# KiCad board GPDI_ULX3S_panel.kicad_pcb (continued)
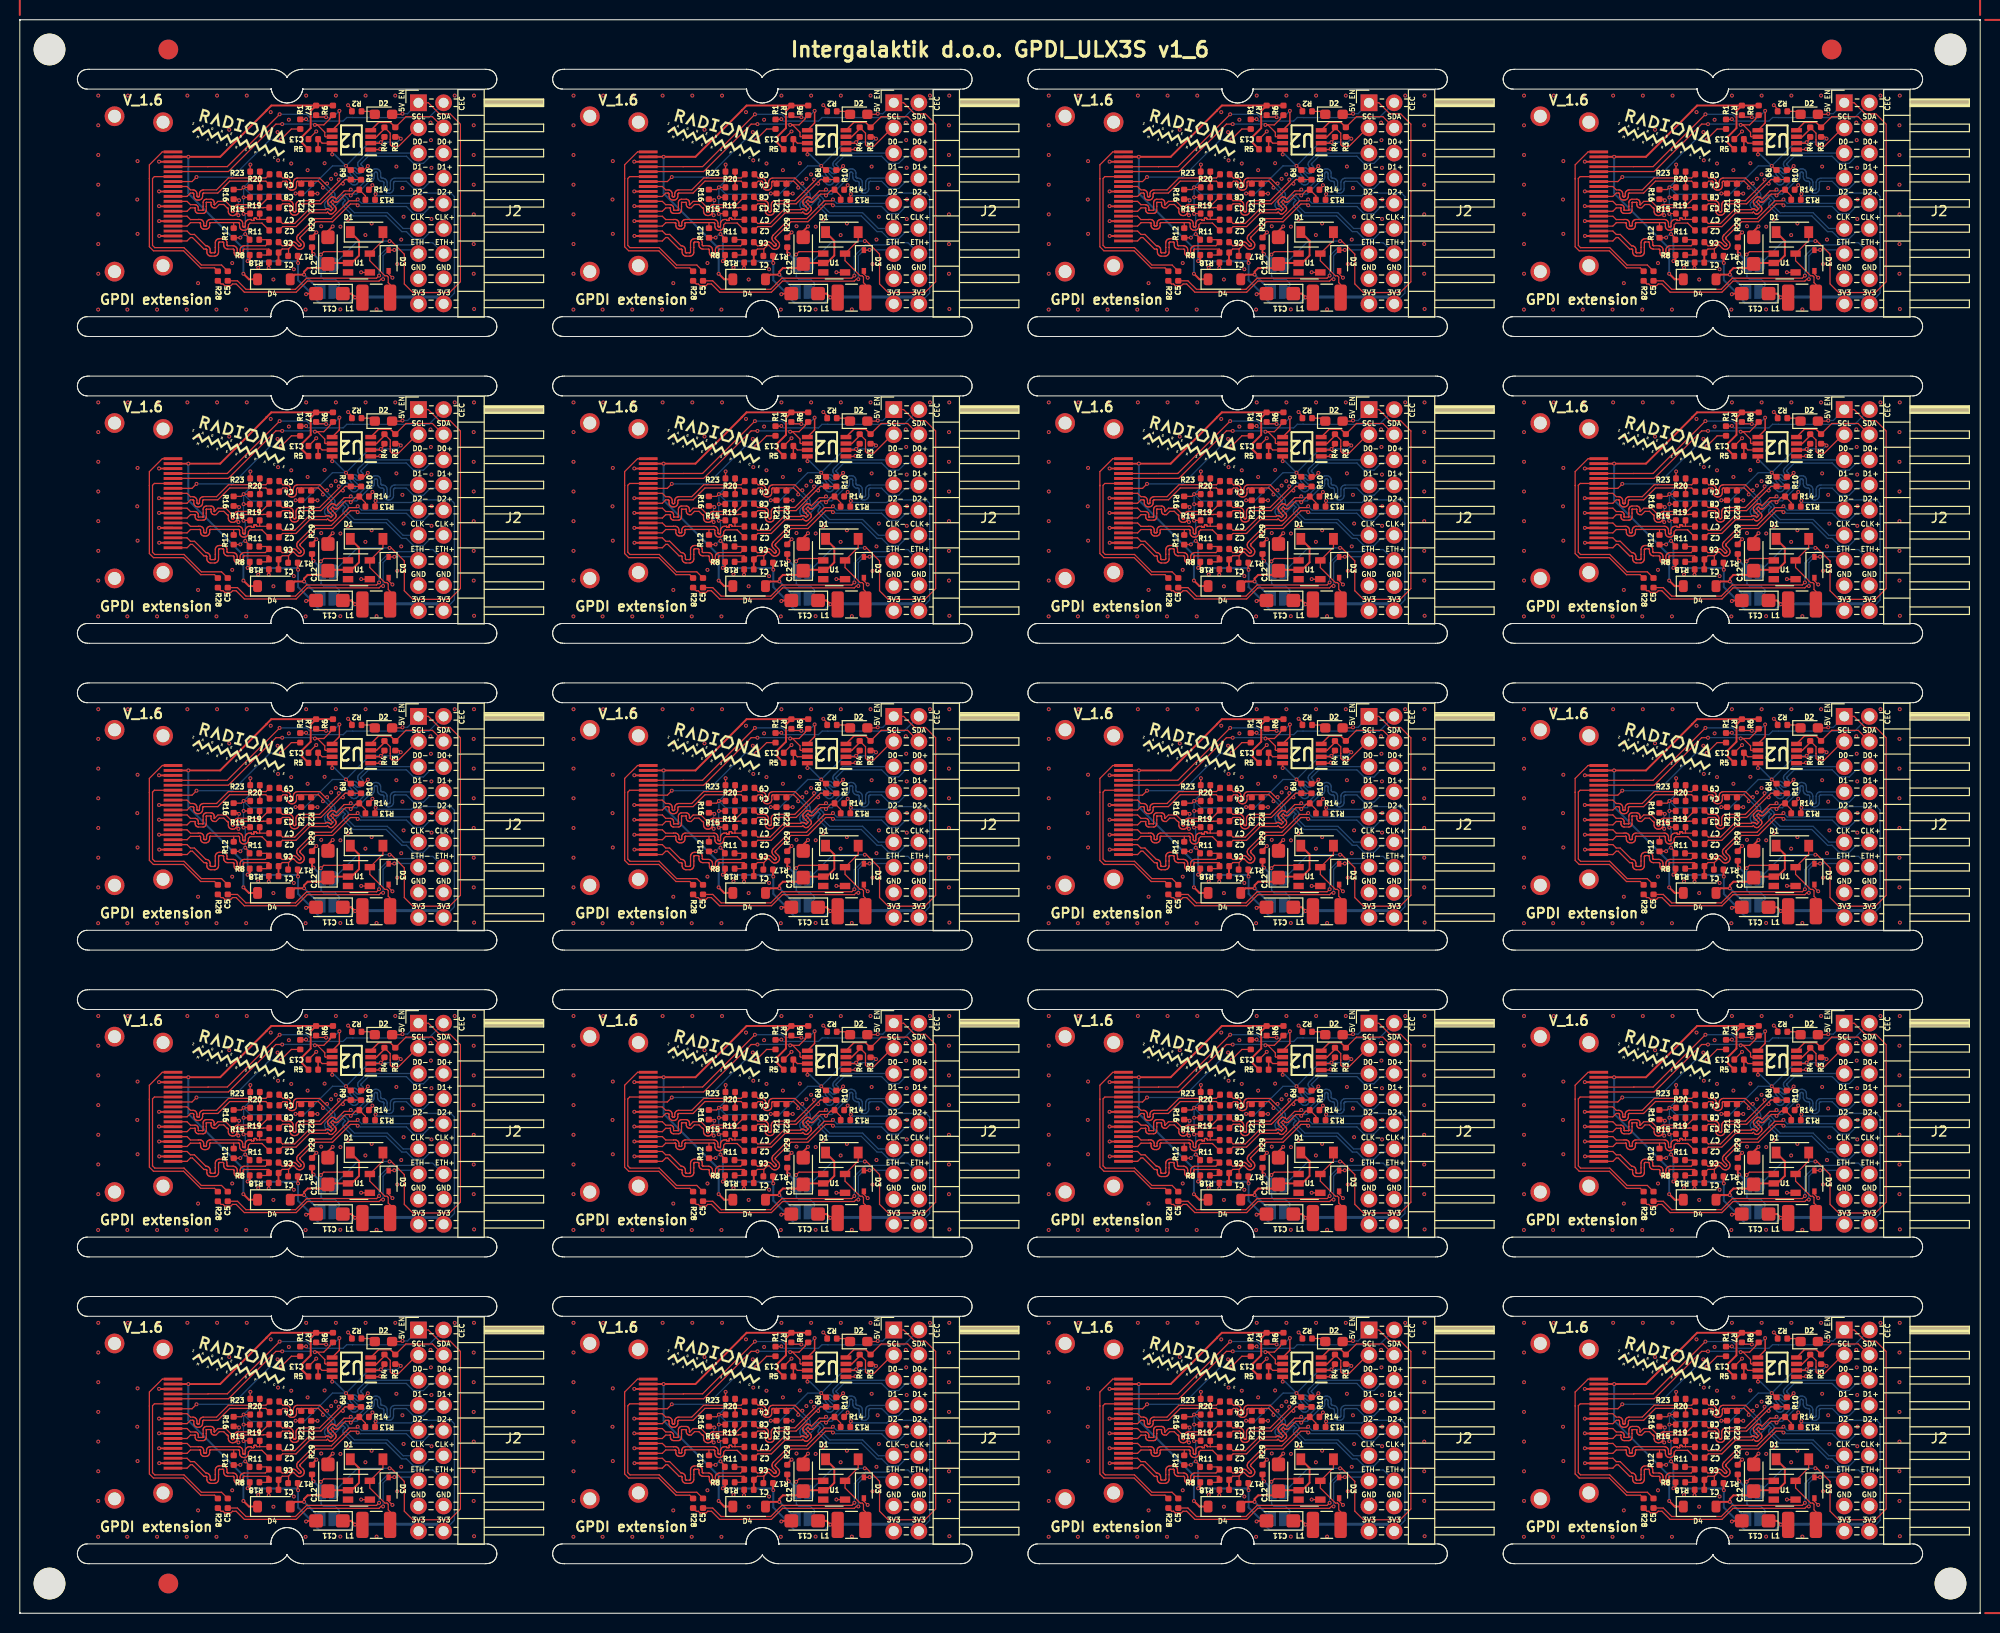
[diagram p0: board, top side]
## Routing (per net, layer and track width the routed paths; a pad name or vN(x,y) marks a point on that pad's centre or on a via; arc(x,y) is an arc through that point) (continued)
Board_17-GPDI_D0-: length 20.9
  Top w0.127: C8#11.1 74.53,18.72 75.18,18.72 75.28,18.71 75.37,18.68 75.45,18.63 75.52,18.56 75.57,18.48 75.6,18.39 75.61,18.29 75.61,17.72 75.62,17.69 75.63,17.66 75.64,17.63 75.66,17.61 75.69,17.59 75.72,17.58 75.75,17.58 75.78,17.58 75.81,17.59 75.84,17.61 75.86,17.63 75.88,17.66 75.89,17.69 75.89,17.72 75.89,18.29 75.9,18.39 75.94,18.48 75.99,18.56 76.06,18.63 76.14,18.68 76.23,18.71 76.33,18.72 78.27,18.72 80.22,20.67 v1(80.22,20.86)
  Bottom w0.127: v1(80.22,20.86) 80.41,20.86 80.64,21.09 80.72,21.15 80.8,21.19 80.9,21.22 81,21.22 81.09,21.19 81.18,21.15 81.25,21.09 81.67,20.68 81.69,20.66 81.72,20.64 81.75,20.64 81.78,20.64 81.81,20.64 81.84,20.66 81.87,20.68 81.89,20.7 81.9,20.73 81.91,20.76 81.91,20.79 81.9,20.82 81.89,20.85 81.87,20.88 81.45,21.29 81.39,21.37 81.35,21.45 81.33,21.55 81.33,21.65 81.35,21.74 81.39,21.83 81.45,21.9 81.49,21.94 81.56,21.99 81.63,22.03 81.72,22.05 81.8,22.05 81.89,22.03 81.97,21.99 82.03,21.94 82.16,21.81 82.18,21.8 82.2,21.79 82.22,21.78 82.24,21.78 82.26,21.79 82.28,21.8 82.29,21.81 82.36,21.88 82.37,21.9 82.38,21.91 82.39,21.93 82.39,21.95 82.38,21.97 82.37,21.99 82.36,22.01 82.23,22.14 82.18,22.21 82.14,22.28 82.12,22.37 82.12,22.45 82.14,22.54 82.18,22.62 82.23,22.68 83.08,23.53 J2#20.5
Board_17-GPDI_D1+: length 26.6
  Top w0.127: R13#16.2 82.91,19.21 R14#10.1 82.19,19.74 81.91,19.74 v1(81.42,19.25) 81.29,19.39 80.89,19.39 80.16,18.66 80.1,18.61 80.04,18.59 79.98,18.57 79.91,18.57 79.85,18.59 79.79,18.61 79.73,18.66 79.61,18.78 79.41,18.58 79.63,18.36 79.62,18.35 79.86,18.11 79.9,18.06 79.93,17.99 79.95,17.93 79.95,17.86 79.93,17.8 79.9,17.74 79.86,17.68 79.63,17.46 79.58,17.42 79.52,17.39 79.46,17.37 79.39,17.37 79.32,17.39 79.26,17.42 79.21,17.46 79.08,17.58 78.99,17.49 77.29,17.49 75.9,16.1 74.54,16.1 C2#3.1
  Bottom w0.127: J2#20.8 90.48,20.68 89.48,20.68 88.76,19.95 87.76,19.95 87.04,20.68 85.91,20.68 85.87,20.67 85.84,20.66 85.81,20.64 85.78,20.61 85.76,20.58 85.75,20.55 85.75,20.51 85.75,19.94 85.73,19.84 85.7,19.74 85.65,19.65 85.57,19.58 85.49,19.53 85.39,19.49 85.29,19.48 85.23,19.48 85.13,19.49 85.03,19.53 84.95,19.58 84.88,19.65 84.82,19.74 84.79,19.84 84.78,19.94 84.78,20.51 84.77,20.55 84.76,20.58 84.74,20.61 84.71,20.64 84.68,20.66 84.65,20.67 84.61,20.68 84.58,20.68 84.48,20.69 84.38,20.72 84.3,20.78 84.23,20.85 84.17,20.93 84.14,21.03 84.13,21.13 84.13,21.45 84.12,21.49 84.11,21.53 84.09,21.56 84.06,21.58 84.03,21.6 84,21.62 83.96,21.62 83.92,21.62 83.89,21.6 83.86,21.58 83.83,21.56 83.81,21.53 83.8,21.49 83.8,21.45 83.8,21.13 83.78,21.03 83.75,20.93 83.7,20.85 83.62,20.78 83.54,20.72 83.44,20.69 83.34,20.68 83.31,20.68 82.03,19.39 81.56,19.39 v1(81.42,19.25)
Board_17-GPDI_D1-: length 21
  Top w0.127: C7#9.1 74.54,16.42 75.77,16.42 77.16,17.81 78.86,17.81 78.87,17.82 78.92,17.86 78.98,17.89 79.05,17.91 79.12,17.91 79.18,17.89 79.24,17.86 79.3,17.82 79.42,17.7 79.62,17.9 79.4,18.12 79.41,18.13 79.17,18.37 79.13,18.42 79.1,18.48 79.08,18.55 79.08,18.62 79.1,18.68 79.13,18.74 79.17,18.79 79.39,19.02 79.45,19.06 79.51,19.09 79.57,19.11 79.64,19.11 79.71,19.09 79.77,19.06 79.82,19.02 79.94,18.89 80.76,19.71 81.29,19.71 v1(81.42,19.85)
  Bottom w0.127: J2#20.7 85.88,21 85.78,20.98 85.68,20.95 85.6,20.9 85.53,20.82 85.47,20.74 85.44,20.64 85.43,20.54 85.43,19.97 85.42,19.93 85.41,19.89 85.39,19.86 85.36,19.84 85.33,19.82 85.3,19.8 85.26,19.8 85.22,19.8 85.19,19.82 85.16,19.84 85.13,19.86 85.11,19.89 85.1,19.93 85.1,19.97 85.1,20.54 85.08,20.64 85.05,20.74 85,20.82 84.92,20.9 84.84,20.95 84.74,20.98 84.64,21 84.61,21 84.57,21 84.54,21.01 84.51,21.03 84.48,21.06 84.46,21.09 84.45,21.12 84.45,21.16 84.45,21.48 84.43,21.58 84.4,21.68 84.35,21.77 84.27,21.84 84.19,21.89 84.09,21.93 83.99,21.94 83.93,21.94 83.83,21.93 83.73,21.89 83.65,21.84 83.58,21.77 83.52,21.68 83.49,21.58 83.48,21.48 83.48,21.16 83.47,21.12 83.46,21.09 83.44,21.06 83.41,21.03 83.38,21.01 83.35,21 83.31,21 83.18,21 81.89,19.71 81.56,19.71 v1(81.42,19.85)
Board_17-GPDI_D2+: length 22.7
  Top w0.127: 75.14,13.84 75.49,14.19 75.51,14.21 75.54,14.22 75.57,14.23 75.6,14.23 75.63,14.22 75.66,14.21 75.69,14.19 75.96,13.92 76.03,13.86 76.12,13.82 76.21,13.79 76.31,13.79 76.4,13.82 76.49,13.86 76.57,13.92 76.6,13.96 76.67,14.03 76.71,14.12 76.73,14.21 76.73,14.31 76.71,14.41 76.67,14.49 76.6,14.57 76.34,14.84 76.32,14.86 76.3,14.89 76.3,14.92 76.3,14.95 76.3,14.98 76.32,15.01 76.34,15.04 77.89,16.59 79.59,16.59 81.39,18.39 81.99,18.39 v1(82.12,18.25) ; 75.14,13.84 75.14,13.19 R17#16.2 ; 75.14,13.84 74.5,13.84 C1#13.1
  Top w0.2: C1#13.1 74.13,13.47 R18#16.1
  Bottom w0.127: J2#20.10 90.48,18.14 89.48,18.14 88.76,17.41 87.76,17.41 87.04,18.14 82.38,18.14 82.27,18.25 v1(82.12,18.25)
Board_17-GPDI_D2-: length 17.8
  Top w0.127: C6.1 74.5,14.16 75.01,14.16 75.28,14.43 75.36,14.49 75.44,14.53 75.54,14.56 75.64,14.56 75.73,14.53 75.82,14.49 75.89,14.43 76.16,14.16 76.19,14.14 76.21,14.13 76.25,14.12 76.28,14.12 76.31,14.13 76.34,14.14 76.36,14.16 76.38,14.19 76.39,14.22 76.4,14.25 76.4,14.28 76.39,14.31 76.38,14.34 76.36,14.36 76.09,14.63 76.03,14.71 75.99,14.79 75.97,14.89 75.97,14.98 75.99,15.08 76.03,15.17 76.09,15.24 77.76,16.91 79.46,16.91 81.26,18.71 81.99,18.71 v1(82.12,18.85)
  Bottom w0.127: J2#20.9 82.52,18.46 v1(82.12,18.85)
Board_17-GPDI_ETH+: length 25.7
  Top w0.127: C5#18.1 69.98,10.62 70.84,9.77 75.84,9.77 76.97,10.89 84.03,10.89 v1(84.29,11.15)
  Bottom w0.127: v1(84.29,11.15) 84.29,13.13 85.41,14.25 87.65,14.25 87.87,14.47 89.71,14.47 J2#20.14
Board_17-GPDI_ETH-: length 24.8
  Top w0.127: v1(85.82,13.75) 85.8,13.72 85.25,13.72 ; R28.2 68.32,10.31 68.52,10.31 68.69,10.14 69.31,10.14 69.48,10.31 69.85,10.31 70.68,9.48 75.91,9.48 77.03,10.6 84.29,10.6 84.48,10.79 v1(84.69,10.79)
  Bottom w0.127: v1(84.69,10.79) 84.69,10.79 84.69,13.16 85.27,13.75 v1(85.82,13.75) 87.89,13.75 J2#20.13
Board_17-GPDI_SCL: length 21.1
  Top w0.127: P1#15.15 63.48,21.67 69.07,21.67 73.86,26.46 v1(74.5,26.46) ; R6#6.2 79.32,27.06 79.32,27 78.7,26.38 v1(77.8,26.38) 78.05,26.38 78.8,25.63 78.8,25.25 78.87,25.18 U2#16.6
  Bottom w0.127: v1(77.8,26.38) 77.71,26.47 74.51,26.47 v1(74.5,26.46)
Board_17-GPDI_SDA: length 22.8
  Top w0.127: v1(78.93,27.16) 78.91,27.18 78.11,27.18 R7#14.2 ; P1#15.16 67.01,22.15 67.02,22.17 68.96,22.17 v1(74.24,27.45)
  Top w0.15: v1(80.28,27.8) 80.28,26.57 U2#16.5
  Bottom w0.127: v1(80.28,27.8) 79.58,27.1 78.99,27.1 v1(78.93,27.16) 78.92,27.17 77.25,27.17 76.97,27.45 v1(74.24,27.45)
Board_17-Net-(D1-A): length 8.1
  Top w0.127: L1#8.2 85.4,10.25 85.21,10.44 85.21,11.01 85.08,11.13 84.87,11.13 83.35,12.66 U1#12.5 84.67,14.7 D1#16.2
Board_17-Net-(D1-K): length 13.2
  Top w0.2: D4#7.2 75.78,11.25 v1(76.71,11.25) 76.71,11.55 77.07,11.91 78.7,11.91 C12#6.1 79.22,12.43 U1#12.2 81.51,12.43 82.26,13.18 82.26,14.66 D1#16.1
  Bottom w0.2: v1(76.71,11.25) 78.37,9.59 JP2#4.1
Board_17-Net-(D2-K): length 1.5
  Top w0.127: R2#18.1 83.55,27.75 D2#6.1
Board_17-Net-(U2-VREF2): length 2.6
  Top w0.127: C13#7.1 78.53,24.53 U2#16.7
  Top w0.15: R5#19.2 C13#7.1
Board_17-PMOD_SCL: length 8.1
  Top w0.127: 87.88,25.69 J2#20.3 88.11,26.07 86.25,24.21 85.59,24.21 85.41,24.38 85.41,24.88 85.41,24.88 85.41,25.55 R4#8.2
  Top w0.15: R4#8.2 84.82,25.98 84.03,25.18 U2#16.3
Board_17-PMOD_SDA: length 8.8
  Top w0.127: R3#2.2 87,27.21 89.67,27.21 J2#20.4
  Top w0.15: U2#16.4 84.24,26.63 85.43,26.63 R3#2.2
Board_18-5V_ENABLE: length 54.8
  Top w0.127: D2#11.2 134.59,27.45 v1(134.65,27.51) ; U1#3.1 128.95,13.57 126.7,13.57 v1(126.41,13.28) ; v1(133.34,14.64) 133.51,14.64 134.83,13.32 134.83,10.31 135.7,9.44 139.41,9.44 140.5,10.53 140.5,26.45 139.46,27.49 138.39,27.49 137.26,28.62 J2#10.1 135.8,28.15
  Top w0.2: R29#16.1 125.51,13.48 v1(125.66,13.33)
  Bottom w0.127: J2#10.1 135.16,27.51 v1(134.65,27.51) ; JP2#10.2 128.26,10.13 128.26,10.39 127.86,10.79 126.68,10.79 126.44,11.03 126.43,11.03 126.43,12.25 JP1#11.2 126.42,13 126.41,13.01 v1(126.41,13.28) ; JP1#11.1 130.12,14.64 v1(133.34,14.64)
  Bottom w0.2: v1(125.66,13.33) 126.42,12.57 JP1#11.2
  Bottom w0.5: JP1#11.2 JP1#11.1
Board_18-+3V3: length 87.4
  Top w0.127: v1(132.47,24.63) 132.82,24.99 R4#15.1 ; R13#20.1 131.88,19.33 v1(131.93,19.38) ; v1(123.85,19.45) R21#20.1 ; R9#14.1 129.36,21.82 v1(128.94,22.24) ; v1(119.29,22.37) 119.27,22.35 R23#14.1 ; v1(118.77,15.35) 119.21,14.91 R11#8.1 ; v1(118.27,14.99) 118.26,14.97 R12#19.1 ; R3#18.1 134.3,25.16 v1(134.47,24.99) ; R19#12.1 v1(118.6,19.06) ; v1(118.59,17.39) 118.62,17.42 R15#15.1 ; R20#12.1 v1(118.6,20.07) 118.38,19.85 R16#8.1 ; v1(129.86,8.95) 129.88,8.93 L1#11.1
  Top w0.15: v1(132.47,24.63) 132.37,24.53 U2#20.2 ; v1(127.55,23.4) 127.54,23.41 U2#20.8
  Top w0.2: C11#10.1 129.48,9.33 v1(129.86,8.95) ; R8#12.1 119.23,12.84 v1(119.01,12.62) ; v1(124.1,12.43) 124.07,12.46 R17#6.1
  Bottom w0.127: v1(118.6,20.07) 119.29,20.75 v1(119.29,22.37) ; v1(118.6,20.07) v1(118.6,19.06) 118.59,19.05 v1(118.59,17.39) 118.77,17.22 v1(118.77,15.35) 118.63,15.35 v1(118.27,14.99) ; v1(118.6,20.07) 119.3,19.37 123.77,19.37 v1(123.85,19.45) 124.79,19.45 127.58,22.24 v1(128.94,22.24) 131.34,24.63 v1(132.47,24.63) 134.12,24.63 v1(134.47,24.99) ; v1(131.93,19.38) 132.08,19.23 135.56,19.23 135.83,19.5 139.54,19.5 139.89,19.14 139.89,9.38 J2#10.18
  Bottom w0.15: v1(127.55,23.4) 127.78,23.4 v1(128.94,22.24)
  Bottom w0.2: v1(118.77,15.35) 119.01,15.11 v1(119.01,12.62) 119.03,12.6 123.93,12.6 v1(124.1,12.43) 124.1,10.68 125.65,9.14 125.65,9 126.24,8.41 129.32,8.41 v1(129.86,8.95)
  Bottom w0.3: v1(129.86,8.95) 129.9,8.99 138.11,8.99 J2#10.18
Board_18-+5V: length 39.3
  Top w0.2: R5#5.1 124.53,24.55 124.53,25.2 125.38,26.06 125.38,27.79 R7#12.1 ; R7#12.1 121.4,28.34 120.92,27.85 120.92,27.83 116.24,23.15 v1(113.02,23.15) P1#20.18 ; R7#12.1 R6#15.1 ; v1(118.58,11.34) 119.14,10.78 D4#14.1
  Bottom w0.2: v1(113.02,23.15) 113.02,19.46 118.58,13.9 v1(118.58,11.34)
Board_18-/CEC: length 15.1
  Top w0.127: R1#13.1 123.43,25.97 v1(122.37,24.91) ; P1#20.13 113.39,20.65 v1(113.85,21.11)
  Bottom w0.127: v1(113.85,21.11) 117.47,21.11 121.28,24.91 v1(122.37,24.91)
Board_18-/CLK+: length 12.1
  Top w0.127: C4#7.2 120.85,20.7 117.2,20.7 116,19.5 114.58,19.5 114.55,19.49 114.53,19.48 114.51,19.47 114.49,19.45 114.48,19.43 114.47,19.4 114.46,19.38 114.46,19.19 114.45,19.1 114.42,19.02 114.37,18.94 114.31,18.87 114.23,18.82 114.14,18.79 114.05,18.78 113.98,18.78 113.89,18.79 113.8,18.82 113.73,18.87 113.66,18.94 113.61,19.02 113.58,19.1 113.57,19.19 113.57,19.38 113.57,19.4 113.56,19.43 113.55,19.45 113.53,19.47 113.51,19.48 113.48,19.49 113.45,19.5 113.24,19.5 112.89,19.15 P1#20.10
  Top w0.15: R20#12.2 120.24,20.66
Board_18-/CLK-: length 12.2
  Top w0.127: 120.26,21.02 117.07,21.02 115.87,19.81 114.56,19.81 114.46,19.8 114.38,19.77 114.3,19.72 114.23,19.66 114.19,19.58 114.15,19.49 114.14,19.4 114.14,19.22 114.14,19.19 114.13,19.17 114.12,19.15 114.1,19.13 114.08,19.11 114.05,19.1 114.03,19.1 114.01,19.1 113.98,19.1 113.96,19.11 113.93,19.13 113.92,19.15 113.9,19.17 113.89,19.19 113.89,19.22 113.89,19.4 113.88,19.49 113.85,19.58 113.8,19.66 113.74,19.72 113.66,19.77 113.57,19.8 113.48,19.81 113.24,19.81 112.89,20.15 P1#20.12 ; 120.26,21.02 120.24,21.03 R23#14.2 ; 120.26,21.02 120.85,21.02 C9#13.2
Board_18-/D0+: length 15.7
  Top w0.127: 117.86,17.38 117.95,17.38 v1(118.08,17.25) ; 117.86,17.38 117.79,17.31 117.71,17.26 117.62,17.23 117.53,17.22 117.48,17.22 117.38,17.23 117.3,17.26 117.22,17.31 117.15,17.38 117.1,17.46 117.07,17.55 117.06,17.64 117.06,17.88 117.05,17.91 117.04,17.93 117.03,17.96 117.01,17.98 116.99,17.99 116.96,18 116.93,18.01 116.6,18.34 116.14,18.34 115.8,18 115.65,18 115.58,18 115.5,18.03 115.44,18.07 115.39,18.12 115.35,18.19 115.32,18.26 115.31,18.33 115.31,18.51 115.31,18.52 115.31,18.53 115.3,18.54 115.3,18.54 115.29,18.55 115.28,18.55 115.27,18.55 114.87,18.55 114.86,18.55 114.85,18.55 114.85,18.54 114.84,18.54 114.84,18.53 114.83,18.52 114.83,18.51 114.83,18.15 114.83,17.78 114.82,17.7 114.8,17.63 114.76,17.57 114.7,17.51 114.64,17.47 114.57,17.45 114.49,17.44 114.05,17.44 113.97,17.45 113.9,17.47 113.84,17.51 113.79,17.57 113.75,17.63 113.72,17.7 113.71,17.78 113.71,17.96 113.71,17.97 113.71,17.97 113.7,17.98 113.7,17.99 113.69,17.99 113.68,17.99 113.67,18 113.24,18 112.89,17.65 P1#20.7 ; 117.86,17.38 117.91,17.46 117.94,17.55 117.95,17.64 117.95,17.88 117.95,17.91 117.96,17.93 117.98,17.96 118,17.98 118.02,17.99 118.05,18 118.08,18.01 118.15,18.01 118.18,18 118.2,17.99 118.23,17.98 118.25,17.96 118.26,17.93 118.27,17.91 118.28,17.88 118.28,17.87 118.28,17.84 118.29,17.82 118.3,17.79 118.32,17.77 118.35,17.76 118.37,17.75 118.4,17.75 118.43,17.75 118.46,17.76 118.48,17.77 118.5,17.79 118.52,17.82 118.53,17.84 118.53,17.87 118.53,17.88 118.53,17.91 118.54,17.93 118.56,17.96 118.58,17.98 118.6,17.99 118.63,18 118.66,18.01 120.57,18.01 120.59,18.03 C3#12.2 ; v1(118.15,18.76) 118.03,18.88 R16#8.2
  Bottom w0.127: v1(118.08,17.25) 118.08,18.7 v1(118.15,18.76)
Board_18-/D0-: length 14.1
  Top w0.127: 121.13,19.06 C8#8.2 120.39,18.33 118.05,18.33 117.96,18.31 117.87,18.28 117.79,18.23 117.72,18.17 117.67,18.09 117.64,18 117.63,17.91 117.63,17.67 117.63,17.64 117.62,17.61 117.6,17.59 117.58,17.57 117.56,17.55 117.53,17.54 117.5,17.54 117.48,17.54 117.45,17.55 117.42,17.57 117.4,17.59 117.39,17.61 117.38,17.64 117.38,17.67 117.38,17.91 117.37,18 117.33,18.09 117.28,18.17 116.8,18.65 116.01,18.65 115.67,18.31 115.66,18.32 115.65,18.32 115.65,18.32 115.64,18.33 115.64,18.34 115.63,18.34 115.63,18.35 115.63,18.53 115.62,18.61 115.6,18.68 115.56,18.74 115.51,18.8 115.44,18.84 115.37,18.86 115.29,18.87 114.85,18.87 114.78,18.86 114.7,18.84 114.64,18.8 114.59,18.74 114.55,18.68 114.52,18.61 114.51,18.53 114.51,18.15 114.51,18.15 114.51,17.8 114.51,17.79 114.51,17.78 114.5,17.77 114.5,17.77 114.49,17.76 114.48,17.76 114.47,17.76 114.07,17.76 114.06,17.76 114.05,17.76 114.05,17.77 114.04,17.77 114.03,17.78 114.03,17.79 114.03,17.8 114.03,17.98 114.02,18.05 114,18.12 113.96,18.19 113.9,18.24 113.84,18.28 113.77,18.31 113.69,18.31 113.24,18.31 112.89,18.65 P1#20.9
  Top w0.15: R19#12.2 120.22,18.34 120.2,18.33
Board_18-/D1+: length 12.6
  Top w0.127: P1#20.4 112.89,16.15 113.24,16.5 114.15,16.5 114.16,16.51 114.18,16.5 114.2,16.5 114.22,16.49 114.24,16.47 114.25,16.45 114.25,16.43 114.26,16.41 114.26,16.23 114.27,16.14 114.29,16.06 114.34,15.99 114.4,15.93 114.48,15.88 114.56,15.85 114.64,15.84 114.79,15.84 114.87,15.85 114.95,15.88 115.03,15.93 115.09,15.99 115.14,16.06 115.16,16.14 115.17,16.23 115.17,16.41 115.18,16.43 115.18,16.45 115.19,16.47 115.21,16.49 115.23,16.5 115.25,16.5 115.27,16.51 118.07,16.51 118.1,16.5 118.13,16.49 118.15,16.48 118.17,16.46 118.18,16.43 118.19,16.41 118.2,16.38 118.2,16.15 118.21,16.05 118.24,15.97 118.29,15.89 118.36,15.82 118.44,15.77 118.52,15.74 118.62,15.73 118.67,15.73 118.76,15.74 118.85,15.77 118.93,15.82 119,15.89 119.05,15.97 119.08,16.05 119.09,16.15 119.09,16.29 119.26,16.46 120.45,16.46 C2#4.2 ; 117.6,15.94 117.6,16.49
Board_18-/D1-: length 12.8
  Top w0.127: 120.23,16.83 121.16,16.83 C7#15.2 ; 120.23,16.83 R15#15.2 ; 120.23,16.83 119.97,16.83 119.95,16.83 119.94,16.83 119.92,16.84 119.91,16.85 119.9,16.87 119.9,16.88 119.9,16.91 119.89,16.93 119.88,16.94 119.87,16.96 119.86,16.96 119.84,16.97 119.82,16.97 119.72,16.97 119.7,16.97 119.68,16.96 119.67,16.96 119.66,16.94 119.65,16.93 119.65,16.91 119.64,16.9 119.64,16.78 119.64,16.76 119.64,16.75 119.63,16.74 119.62,16.74 119.61,16.73 119.6,16.73 119.59,16.73 119.44,16.73 119.43,16.73 119.42,16.73 119.41,16.74 119.4,16.74 119.39,16.75 119.39,16.76 119.39,16.79 119.38,16.8 119.38,16.81 119.37,16.81 119.36,16.82 119.35,16.82 119.34,16.83 119.19,16.83 119.1,16.81 119.01,16.78 118.93,16.73 118.86,16.67 118.81,16.59 118.78,16.5 118.77,16.41 118.77,16.17 118.77,16.15 118.76,16.12 118.74,16.09 118.72,16.07 118.7,16.06 118.67,16.05 118.64,16.05 118.62,16.05 118.59,16.06 118.56,16.07 118.54,16.09 118.53,16.12 118.52,16.15 118.52,16.17 118.52,16.41 118.51,16.5 118.47,16.59 118.42,16.67 118.36,16.73 118.28,16.78 118.19,16.81 118.1,16.83 115.24,16.83 115.16,16.82 115.08,16.79 115,16.74 114.94,16.68 114.89,16.61 114.87,16.52 114.86,16.44 114.86,16.25 114.85,16.23 114.85,16.21 114.84,16.2 114.82,16.18 114.8,16.17 114.78,16.16 114.76,16.16 114.67,16.16 114.65,16.16 114.63,16.17 114.61,16.18 114.59,16.2 114.58,16.21 114.58,16.23 114.57,16.25 114.57,16.44 114.56,16.52 114.54,16.61 114.49,16.68 114.43,16.74 114.35,16.79 114.27,16.82 114.19,16.83 114.03,16.83 114.02,16.81 113.24,16.81 112.89,17.15 P1#20.6
Board_18-/D2+: length 15
  Top w0.127: R8#12.2 120.92,13.23 C1#18.2 121.17,13.8 121.14,13.83 118.65,13.83 118.62,13.82 118.6,13.79 118.58,13.77 118.57,13.74 118.57,13.71 118.57,13.5 118.56,13.4 118.52,13.31 118.47,13.23 118.4,13.16 118.32,13.1 118.23,13.07 118.13,13.06 118.08,13.06 117.98,13.07 117.89,13.1 117.81,13.16 117.74,13.23 117.69,13.31 117.66,13.4 117.64,13.5 117.64,13.71 117.64,13.74 117.63,13.77 117.61,13.79 117.59,13.82 117.56,13.83 117.01,13.83 116.91,13.84 116.83,13.88 116.75,13.92 116.68,13.99 116.63,14.07 116.6,14.16 116.59,14.25 116.59,14.44 116.59,14.47 116.58,14.49 116.57,14.51 116.55,14.53 116.53,14.54 116.51,14.55 116.48,14.55 116.18,14.55 116.16,14.55 116.14,14.54 116.11,14.53 116.1,14.51 116.09,14.49 116.08,14.47 116.07,14.44 116.07,14 116.07,14 116.07,13.53 116.06,13.44 116.03,13.35 115.98,13.27 115.92,13.21 115.84,13.16 115.75,13.13 115.66,13.12 115.31,13.12 115.21,13.13 115.13,13.16 115.05,13.21 114.98,13.27 114.93,13.35 114.9,13.44 114.89,13.53 114.89,13.73 114.89,13.75 114.88,13.77 114.87,13.79 114.85,13.81 114.83,13.82 114.81,13.83 114.78,13.83 114.6,13.83 113.43,15 113.24,15 112.89,14.65 P1#20.1
Board_18-/D2-: length 14.8
  Top w0.127: R11#8.2 120.91,14.78 C6#11.2 120.8,14.17 118.68,14.17 118.59,14.16 118.49,14.12 118.41,14.07 118.34,14 118.29,13.92 118.26,13.83 118.25,13.73 118.25,13.52 118.24,13.49 118.23,13.46 118.22,13.43 118.19,13.41 118.17,13.39 118.14,13.38 118.11,13.38 118.07,13.38 118.04,13.39 118.02,13.41 117.99,13.43 117.98,13.46 117.97,13.49 117.96,13.52 117.96,13.73 117.95,13.83 117.92,13.92 117.87,14 117.8,14.07 117.72,14.12 117.63,14.16 117.53,14.17 117.03,14.17 117.01,14.17 116.99,14.18 116.96,14.19 116.95,14.21 116.94,14.23 116.93,14.25 116.92,14.27 116.92,14.47 116.91,14.56 116.88,14.65 116.83,14.73 116.77,14.79 116.69,14.84 116.6,14.87 116.51,14.88 116.16,14.88 116.06,14.87 115.98,14.84 115.9,14.79 115.83,14.73 115.78,14.65 115.75,14.56 115.74,14.47 115.74,14 115.74,13.56 115.74,13.54 115.73,13.51 115.72,13.49 115.7,13.48 115.68,13.46 115.66,13.45 115.63,13.45 115.33,13.45 115.31,13.45 115.28,13.46 115.26,13.48 115.25,13.49 115.23,13.51 115.23,13.54 115.22,13.56 115.22,13.75 115.21,13.84 115.18,13.93 115.13,14.01 115.07,14.08 114.99,14.13 114.9,14.16 114.81,14.17 114.78,14.17 113.63,15.31 113.24,15.31 112.89,15.65 P1#20.3
Board_18-/ETH+: length 17.6
  Top w0.127: P1#20.14 109.59,21.15 109.4,20.97 109.4,14.2 109.63,13.98 112.58,13.98 114.34,12.22 116.38,12.22 C5#19.2
Board_18-/ETH-: length 19.2
  Top w0.127: 109.09,20.93 109.09,22.35 110.39,23.65 P1#20.19 ; 109.09,20.93 109.09,14.07 109.5,13.66 112.54,13.66 114.27,11.93 115.67,11.93 R28#12.1 ; 109.09,20.93 109.09,20.97
Board_18-GND: length 17.5
  Top w0.127: D3#17.2 133.25,11.32 v1(133.63,10.94) ; v1(125.94,25.72) 125.94,25.72 C13#6.2 ; R2#16.2 129.54,27.98 v1(129.15,28.37) ; v1(131.61,20.29) 131.61,20.19 R14.2 ; v1(130.47,11.49) 130.49,11.47 U1#3.4 ; v1(131.15,22.22) 130.75,21.82 R10#18.2 ; v1(126.07,19.44) 126.07,19.44 R22#4.2
  Top w0.15: v1(132.4,23.94) 132.35,23.88 U2#20.1
  Top w0.2: P1#20.17 110.07,22.65 v1(110.06,22.67) ; C12.2 127.12,15.64 v1(127.6,16.12) ; P1#20.11 110.07,19.65 v1(110.06,19.66) ; v1(110.06,18.18) 110.08,18.15 P1#20.8 ; R29#16.2 125.51,15.08 v1(125.95,15.52) ; P1#20.5 110.08,16.65 v1(110.07,16.66) ; C11#10.2 124.97,9.33 v1(124.91,9.27) ; P1#20.2 110.08,15.15 v1(110.08,15.16) ; v1(121.14,11.93) 121.16,11.94 R18#10.2
  In1.Cu w0.5: 136.38,10.72 J2#10.15
  vias: v1(103.92,29.34) v1(103.92,26.34) v1(103.92,23.34) v1(103.92,20.34) v1(103.92,17.34) v1(103.92,14.34) v1(103.92,11.34) v1(103.91,7.72) v1(106.92,29.34) v1(106.86,7.72) v1(107.89,22.72) v1(107.86,18.84) v1(107.89,15.37) v1(109.92,29.34) v1(109.86,7.72) v1(112.92,29.34) v1(112.86,7.72) v1(114.02,25.97) v1(114,10.39) v1(115.92,29.34) v1(115.86,7.72) v1(117.15,25.89) v1(117.45,12.42) v1(118.92,29.34) v1(118.86,7.72) v1(120.08,11.94) v1(121.34,27.67) v1(121.61,10.76) v1(122.03,25.65) v1(122.08,22.8) v1(123.17,26.9) v1(123.41,22.48) v1(123.68,11.79) v1(124.92,29.34) v1(124.86,7.72) v1(125.07,21.81) v1(126.44,16.14) v1(126.78,22.51) v1(127.44,20.93) v1(127.92,29.34) v1(127.91,21.38) v1(128.38,16.1) v1(128.37,7.74) v1(129.14,16.81) v1(130.92,29.34) v1(130.9,15.25) v1(131.53,16.42) v1(132.03,7.74) v1(133.92,29.34) v1(134.03,22.17) v1(134.12,12.32) v1(134.52,14.79) v1(134.64,20) v1(134.76,17.1) v1(137.48,26.61) v1(137.52,24.84) v1(137.57,22.05) v1(137.6,18.85) v1(137.58,16.87) v1(139.92,29.34) v1(141.84,26.34) v1(141.84,23.34) v1(141.84,20.34) v1(141.84,17.34) v1(141.84,14.34) v1(141.84,11.34) v1(141.87,29.34) v1(141.88,7.78)
Board_18-GPDI_CEC: length 15.3
  Top w0.127: R1#13.2 124.89,26.94 v1(124.91,26.96)
  Bottom w0.127: v1(124.91,26.96) 125.1,26.77 128.66,26.77 129.02,27.13 129.6,27.13 129.61,27.12 137.31,27.12 J2#10.2
Board_18-GPDI_CLK+: length 24.8
  Top w0.127: 125.43,20.69 126.16,20.69 126.62,20.23 v1(126.62,20.04) ; 125.43,20.69 R22#4.1 ; 125.43,20.69 124.44,20.69 ; 124.44,20.69 124.42,20.67 R21#20.2 ; 124.44,20.69 124.09,20.69 124.06,20.69 124.03,20.68 124,20.66 123.98,20.64 123.96,20.61 123.95,20.58 123.95,20.55 123.95,20.22 123.94,20.12 123.9,20.03 123.85,19.95 123.78,19.88 123.7,19.83 123.61,19.8 123.51,19.79 123.46,19.79 123.36,19.8 123.27,19.83 123.19,19.88 123.12,19.95 123.07,20.03 123.04,20.12 123.03,20.22 123.03,20.55 123.02,20.58 123.01,20.61 123,20.64 122.97,20.66 122.95,20.68 122.92,20.69 122.89,20.69 122.57,20.69 C4#7.1
  Bottom w0.127: v1(126.62,20.04) 126.81,20.04 127.46,19.39 127.48,19.36 127.49,19.33 127.5,19.29 127.5,19.26 127.49,19.22 127.48,19.19 127.46,19.16 126.91,18.61 126.85,18.53 126.8,18.44 126.78,18.34 126.78,18.24 126.8,18.14 126.85,18.05 126.91,17.97 126.95,17.93 127.03,17.86 127.12,17.82 127.22,17.8 127.32,17.8 127.42,17.82 127.51,17.86 127.59,17.93 128.62,18.95 128.63,18.96 128.63,18.96 128.64,18.96 128.65,18.96 128.65,18.96 128.66,18.96 128.67,18.95 128.85,18.77 128.86,18.76 128.86,18.75 128.86,18.75 128.86,18.74 128.86,18.73 128.86,18.72 128.85,18.72 128.73,18.59 128.68,18.53 128.65,18.47 128.63,18.39 128.63,18.32 128.65,18.25 128.68,18.18 128.73,18.12 129.66,17.19 132.99,17.19 134.58,15.6 135.04,15.6 135.76,14.87 136.76,14.87 137.48,15.6 138.48,15.6 J2#10.12
Board_18-GPDI_CLK-: length 21
  Top w0.127: C9#13.1 122.57,21.01 122.91,21.01 123.01,21 123.1,20.97 123.18,20.92 123.25,20.85 123.3,20.77 123.34,20.68 123.35,20.58 123.35,20.25 123.35,20.21 123.36,20.18 123.38,20.16 123.4,20.14 123.43,20.12 123.46,20.11 123.49,20.1 123.52,20.11 123.55,20.12 123.57,20.14 123.6,20.16 123.61,20.18 123.62,20.21 123.63,20.25 123.63,20.58 123.64,20.68 123.67,20.77 123.72,20.85 123.79,20.92 123.87,20.97 123.96,21 124.06,21.01 126.29,21.01 126.84,20.46 v1(127.03,20.46)
  Bottom w0.127: v1(127.03,20.46) 127.03,20.27 127.7,19.6 127.76,19.52 127.81,19.43 127.83,19.33 127.83,19.23 127.81,19.13 127.76,19.03 127.7,18.95 127.15,18.41 127.13,18.38 127.12,18.34 127.11,18.31 127.11,18.27 127.12,18.24 127.13,18.2 127.15,18.17 127.18,18.15 127.22,18.13 127.25,18.13 127.29,18.13 127.33,18.13 127.36,18.15 127.39,18.17 128.41,19.19 128.47,19.24 128.53,19.27 128.61,19.29 128.68,19.29 128.75,19.27 128.82,19.24 128.88,19.19 129.09,18.98 129.14,18.92 129.17,18.85 129.19,18.78 129.19,18.71 129.17,18.63 129.14,18.57 129.09,18.51 128.97,18.38 128.96,18.37 128.96,18.37 128.96,18.36 128.96,18.35 128.96,18.35 128.96,18.34 128.97,18.33 129.79,17.51 133.12,17.51 134.71,15.91 J2#10.11
Board_18-GPDI_D0+: length 26.3
  Top w0.127: R10#18.1 130.46,20.85 R9#14.2 128.86,20.85 128.63,20.63 v1(128.63,20.44) 128.44,20.44 126.4,18.4 124.35,18.4 124.32,18.4 124.29,18.39 124.26,18.37 124.24,18.35 124.23,18.32 124.22,18.29 124.21,18.26 124.21,17.69 124.2,17.59 124.17,17.5 124.12,17.42 124.05,17.35 123.97,17.3 123.88,17.27 123.78,17.26 123.73,17.26 123.63,17.27 123.54,17.3 123.46,17.35 123.39,17.42 123.34,17.5 123.3,17.59 123.29,17.69 123.29,18.26 123.29,18.29 123.28,18.32 123.26,18.35 123.24,18.37 123.21,18.39 123.18,18.4 123.15,18.4 122.53,18.4 C3#12.1
  Bottom w0.127: v1(128.63,20.44) 128.63,20.63 128.85,20.85 128.87,20.87 128.9,20.88 128.93,20.89 128.96,20.89 128.99,20.88 129.02,20.87 129.05,20.85 129.46,20.43 129.54,20.37 129.62,20.33 129.72,20.31 129.82,20.31 129.91,20.33 130,20.37 130.07,20.43 130.11,20.47 130.17,20.55 130.21,20.63 130.24,20.73 130.24,20.83 130.21,20.92 130.17,21.01 130.11,21.08 129.7,21.5 129.68,21.52 129.66,21.55 129.66,21.58 129.66,21.61 129.66,21.64 129.68,21.67 129.7,21.7 129.71,21.71 129.73,21.72 129.75,21.72 129.77,21.72 129.79,21.72 129.81,21.71 129.82,21.7 129.95,21.57 130.02,21.51 130.1,21.48 130.18,21.46 130.27,21.46 130.35,21.48 130.43,21.51 130.5,21.57 130.6,21.67 130.66,21.74 130.7,21.82 130.71,21.9 130.71,21.99 130.7,22.07 130.66,22.15 130.6,22.22 130.47,22.35 130.46,22.36 130.45,22.38 130.45,22.4 130.45,22.42 130.45,22.44 130.46,22.46 130.47,22.47 131.22,23.22 135.04,23.22 135.76,22.49 136.76,22.49 137.48,23.22 138.48,23.22 J2#10.6
Board_18-GPDI_D0-: length 20.9
  Top w0.127: v1(128.22,20.86) 128.22,20.67 126.27,18.72 124.33,18.72 124.23,18.71 124.14,18.68 124.06,18.63 123.99,18.56 123.94,18.48 123.9,18.39 123.89,18.29 123.89,17.72 123.89,17.69 123.88,17.66 123.86,17.63 123.84,17.61 123.81,17.59 123.78,17.58 123.75,17.58 123.72,17.58 123.69,17.59 123.66,17.61 123.64,17.63 123.63,17.66 123.62,17.69 123.61,17.72 123.61,18.29 123.6,18.39 123.57,18.48 123.52,18.56 123.45,18.63 123.37,18.68 123.28,18.71 123.18,18.72 122.53,18.72 C8#8.1